# KiCad board aquarius-plus.kicad_pcb (continued)
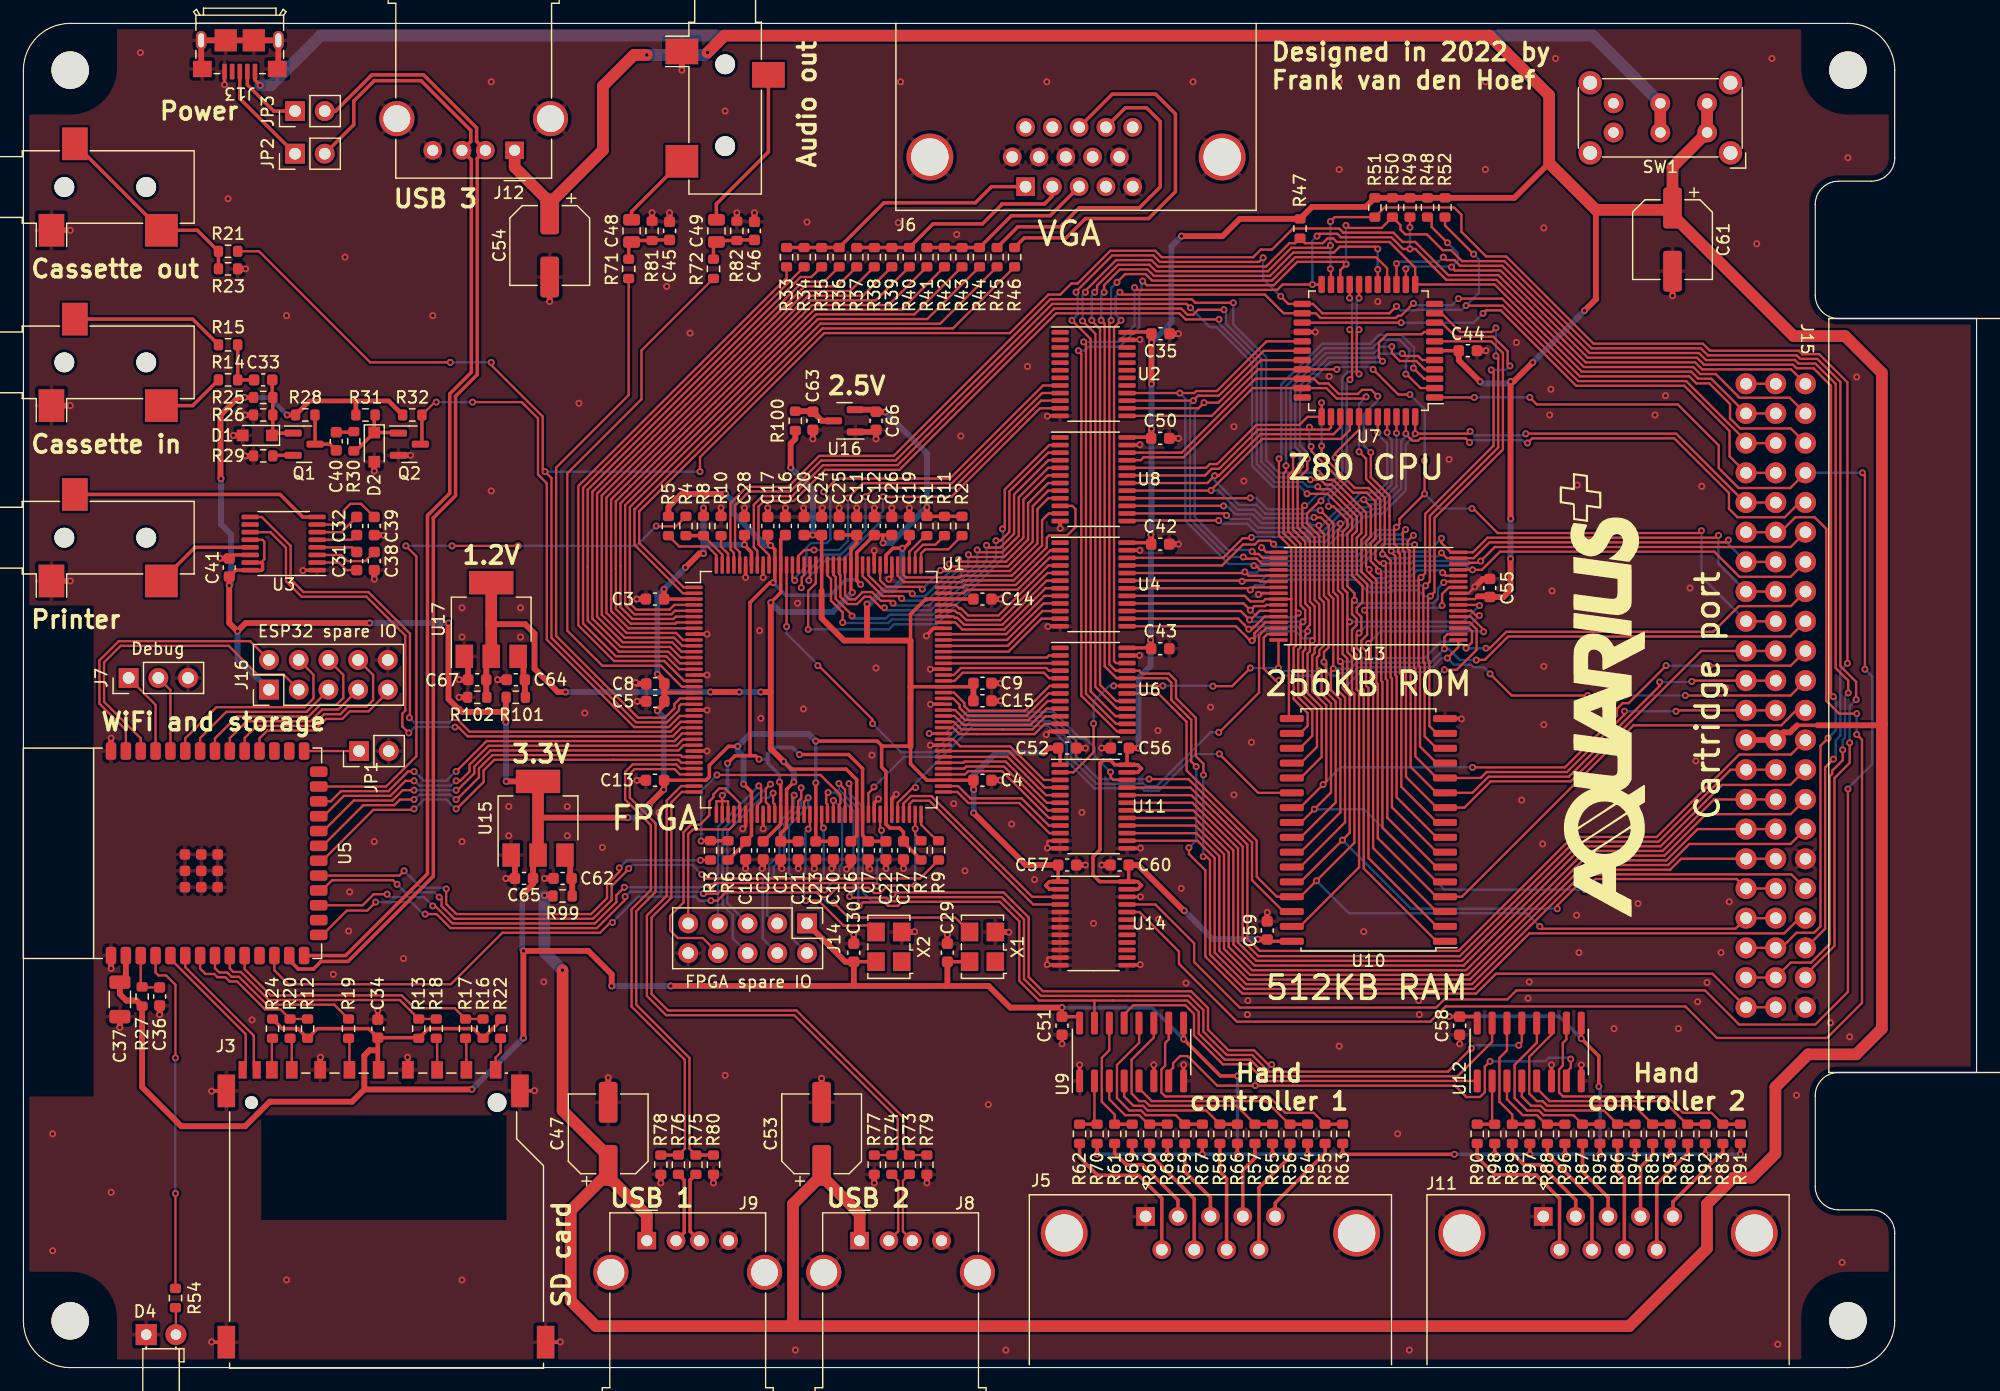
[diagram p0: board, top side]
## Footprints (pads in the part's own frame, mm; a bottom-side part is the same pattern mirrored in y, then rotated) (continued)
TSOP-I-32_14.4x8mm_P0.5mm
  rrect 1.575x0.3 smd: 1(-7.688,3.75) 2(-7.688,3.25) 3(-7.688,2.75) 4(-7.688,2.25) 5(-7.688,1.75) 6(-7.688,1.25) 7(-7.688,0.75) 8(-7.688,0.25) 9(-7.688,-0.25) 10(-7.688,-0.75) 11(-7.688,-1.25) 12(-7.688,-1.75) 13(-7.688,-2.25) 14(-7.688,-2.75) 15(-7.688,-3.25) 16(-7.688,-3.75) 17(7.688,-3.75) 18(7.688,-3.25) 19(7.688,-2.75) 20(7.688,-2.25) 21(7.688,-1.75) 22(7.688,-1.25) 23(7.688,-0.75) 24(7.688,-0.25) 25(7.688,0.25) 26(7.688,0.75) 27(7.688,1.25) 28(7.688,1.75) 29(7.688,2.25) 30(7.688,2.75) 31(7.688,3.25) 32(7.688,3.75)
TSSOP-16_4.4x5mm_P0.65mm
  rrect 1.475x0.4 smd: 1(-2.862,2.275) 2(-2.862,1.625) 3(-2.862,0.975) 4(-2.862,0.325) 5(-2.862,-0.325) 6(-2.862,-0.975) 7(-2.862,-1.625) 8(-2.862,-2.275) 9(2.862,-2.275) 10(2.862,-1.625) 11(2.862,-0.975) 12(2.862,-0.325) 13(2.862,0.325) 14(2.862,0.975) 15(2.862,1.625) 16(2.862,2.275)
TSSOP-24_4.4x7.8mm_P0.65mm
  rrect 1.475x0.4 smd: 1(-2.862,3.575) 2(-2.862,2.925) 3(-2.862,2.275) 4(-2.862,1.625) 5(-2.862,0.975) 6(-2.862,0.325) 7(-2.862,-0.325) 8(-2.862,-0.975) 9(-2.862,-1.625) 10(-2.862,-2.275) 11(-2.862,-2.925) 12(-2.862,-3.575) 13(2.862,-3.575) 14(2.862,-2.925) 15(2.862,-2.275) 16(2.862,-1.625) 17(2.862,-0.975) 18(2.862,-0.325) 19(2.862,0.325) 20(2.862,0.975) 21(2.862,1.625) 22(2.862,2.275) 23(2.862,2.925) 24(2.862,3.575)
USB_A_Molex_67643_Horizontal
  rect 1.6x1.5 hole 0.95: 1(0,0)
  round 1.6 hole 0.95: 2(2.5,0) 3(4.5,0) 4(7,0)
  round 3 hole 2.3: 5(-3.07,-2.71) 5(10.07,-2.71)

## Nets
+1V2: C1.1 C6.1 C11.1 C16.1 C21.1 C25.1 C67.1 R102.2 U1.49 U1.61 U1.121 U1.133 U17.2
+2V5: C2.1 C7.1 C12.1 C17.1 C22.1 C26.1 C66.1 R1.2 R2.2 R5.2 R11.2 U1.37 U1.38 U1.39 U1.48 U1.62 U1.120 U1.134 U16.2
+3V3: C3.1 C4.1 C5.1 C8.1 C9.1 C10.1 C13.1 C14.1 C15.1 C18.1 C19.1 C20.1 C23.1 C24.1 C27.1 C28.1 C29.1 C30.1 C34.1 C37.1 C41.1 C51.1 C52.1 C57.1 C58.1 C65.1 J3.4 J14.1 J16.1 R6.2 R7.2 R8.2 R12.2 R13.2 R16.2 R22.2 R24.2 R25.2 R27.1 R28.2 R31.2 R32.2 R63.2 R64.2 R65.2 R66.2 R67.2 R68.2 R69.2 R70.2 R91.2 R92.2 R93.2 R94.2 R95.2 R96.2 R97.2 R98.2 R100.1 R101.1 U1.3 U1.19 U1.34 U1.43 U1.54 U1.66 U1.75 U1.91 U1.106 U1.115 U1.126 U1.138 U3.12 U3.15 U3.16 U5.2 U9.9 U9.16 U11.1 U12.9 U12.16 U14.1 U14.2 U15.2 X1.4 X2.4
+5V: C35.1 C42.1 C43.1 C44.1 C47.1 C50.1 C53.1 C54.1 C55.1 C56.1 C59.1 C60.1 C61.1 J8.1 J9.1 J12.1 J15.25 R47.1 R48.1 R49.1 R50.1 R51.1 R52.1 R99.1 SW1.1 SW1.4 U2.24 U4.24 U6.24 U7.6 U8.24 U10.32 U11.23 U11.24 U13.8 U14.23 U14.24
GND: C1.2 C2.2 C3.2 C4.2 C5.2 C6.2 C7.2 C8.2 C9.2 C10.2 C11.2 C12.2 C13.2 C14.2 C15.2 C16.2 C17.2 C18.2 C19.2 C20.2 C21.2 C22.2 C23.2 C24.2 C25.2 C26.2 C27.2 C28.2 C29.2 C30.2 C34.2 C35.2 C36.2 C37.2 C38.2 C39.2 C41.2 C42.2 C43.2 C44.2 C45.2 C46.2 C47.2 C50.2 C51.2 C52.2 C53.2 C54.2 C55.2 C56.2 C57.2 C58.2 C59.2 C60.2 C61.2 C62.2 C63.2 C64.2 C65.2 C66.2 C67.2 D1.2 D2.2 D4.1 J1.S J2.S J3.3 J3.6 J3.12 J4.S J5.0 J5.1 J6.0 J6.5 J6.6 J6.7 J6.8 J6.10 J7.3 J8.4 J8.5 J9.4 J9.5 J10.S J11.0 J11.1 J12.4 J12.5 J13.5 J13.6 J14.10 J15.34 J15.44 J16.10 JP1.2 Q2.2 R10.2 R23.1 R26.1 R29.1 R77.2 R78.2 R79.2 R80.2 R81.1 R82.1 R102.1 U1.9 U1.16 U1.22 U1.29 U1.42 U1.45 U1.64 U1.67 U1.81 U1.88 U1.94 U1.101 U1.114 U1.117 U1.136 U1.139 U2.12 U2.23 U3.1 U3.14 U4.12 U4.23 U5.1 U5.40 U5.41 U6.12 U6.23 U7.26 U8.12 U8.23 U9.1 U9.6 U9.8 U10.16 U11.11 U11.12 U11.13 U12.6 U12.8 U13.9 U13.24 U14.5 U14.6 U14.7 U14.8 U14.9 U14.10 U14.11 U14.12 U14.13 U14.22 U15.1 U16.1 U17.1 X1.2 X2.2
VBUS: J13.1 SW1.2 SW1.5
A0: J15.23 U2.16 U7.27 U10.12 U13.20
A1: J15.21 U2.15 U7.28 U10.11 U13.19
A2: J15.19 U2.14 U7.29 U10.10 U13.18
A3: J15.17 U2.13 U7.30 U10.9 U13.17
A4: J15.15 U7.31 U8.22 U10.8 U13.16
A5: J15.13 U7.32 U8.21 U10.7 U13.15
A6: J15.12 U7.34 U8.20 U10.6 U13.14
A7: J15.14 U7.35 U8.19 U10.5 U13.13
A8: J15.16 U7.36 U8.18 U10.27 U13.3
A9: J15.18 U7.37 U8.17 U10.26 U13.2
A10: J15.20 U7.38 U8.16 U10.23 U13.31
A11: J15.22 U7.40 U8.15 U10.25 U13.1
A12: J15.24 U7.41 U8.14 U10.4 U13.12
A13: J15.36 U7.42 U8.13 U10.28 U13.4
A14: J15.10 U4.22 U7.43
A15: J15.9 U4.21 U7.44
AUDIO_L: R71.1 U1.20
AUDIO_R: R72.1 U1.18
BA14: U1.141 U10.3 U13.5
BA15: U1.140 U10.31 U13.11
BA16: U1.137 U10.2 U13.10
BA17: U1.135 U10.1 U13.6
BA18: U1.132 U10.30
BUSACK#: J15.42 R50.2 U6.13 U7.20
BUSREQ#: J15.4 R49.2 U6.14 U7.22
CART_CE#: J15.11 U14.20
CASSETTE_IN: Q2.3 R32.1 U1.23
CASSETTE_OUT: J15.2 R21.1 U1.21
D0: U4.20 U7.9 U10.13 U13.21
D1: U4.19 U7.10 U10.14 U13.22
D2: U4.18 U7.7 U10.15 U13.23
D3: U4.17 U7.3 U10.17 U13.25
D4: U4.16 U7.2 U10.18 U13.26
D5: U4.15 U7.4 U10.19 U13.27
D6: U4.14 U7.5 U10.20 U13.28
D7: U4.13 U7.8 U10.21 U13.29
DE0: J15.26 U11.21
DE1: J15.27 U11.20
DE2: J15.28 U11.19
DE3: J15.29 U11.18
DE4: J15.30 U11.17
DE5: J15.31 U11.16
DE6: J15.32 U11.15
DE7: J15.33 U11.14
DE_OE#: U1.83 U11.22
ESP_CTS: U1.26 U5.24
ESP_EXP0: J16.2 U5.39
ESP_EXP1: J16.3 U5.38
ESP_EXP2: J16.4 U5.35
ESP_EXP3: J16.5 U5.34
ESP_EXP4: J16.6 U5.33
ESP_EXP5: J16.7 U5.32
ESP_EXP6: J16.8 U5.31
ESP_EXP7: J16.9 U5.30
ESP_NOTIFY: U1.31 U5.20
ESP_RTS: U1.28 U5.22
ESP_RX: U1.27 U5.23
ESP_TX: U1.30 U5.21
ESP_USB_DM: J12.2 JP3.2 U5.13
ESP_USB_DP: J12.3 JP2.2 U5.14
FPGA_A0: U1.131 U2.8
FPGA_A1: U1.130 U2.9
FPGA_A2: U1.129 U2.10
FPGA_A3: U1.128 U2.11
FPGA_A4: U1.127 U8.2
FPGA_A5: U1.125 U8.3
FPGA_A6: U1.124 U8.4
FPGA_A7: U1.123 U8.5
FPGA_A8: U1.122 U8.6
FPGA_A9: U1.119 U8.7
FPGA_A10: U1.118 U8.8
FPGA_A11: U1.116 U8.9
FPGA_A12: U1.113 U8.10
FPGA_A13: U1.112 U8.11
FPGA_A14: U1.108 U4.2
FPGA_A15: U1.107 U4.3
FPGA_BUSACK#: U1.84 U6.11
FPGA_BUSREQ#: U1.85 U6.10
FPGA_CART_CE#: U1.70 U14.4
FPGA_D0: U1.105 U4.4
FPGA_D1: U1.104 U4.5
FPGA_D2: U1.103 U4.6
FPGA_D3: U1.102 U4.7
FPGA_D4: U1.100 U4.8
FPGA_D5: U1.99 U4.9
FPGA_D6: U1.98 U4.10
FPGA_D7: U1.97 U4.11
FPGA_DE0: U1.82 U11.3
FPGA_DE1: U1.80 U11.4
FPGA_DE2: U1.79 U11.5
FPGA_DE3: U1.78 U11.6
FPGA_DE4: U1.77 U11.7
FPGA_DE5: U1.76 U11.8
FPGA_DE6: U1.74 U11.9
FPGA_DE7: U1.73 U11.10
FPGA_DONE: R7.1 U1.71 U5.12
FPGA_EXP0: J14.2 U1.52
FPGA_EXP1: J14.3 U1.51
FPGA_EXP2: J14.4 U1.50
FPGA_EXP3: J14.5 U1.47
FPGA_EXP4: J14.6 U1.46
FPGA_EXP5: J14.7 U1.44
FPGA_EXP6: J14.8 U1.41
FPGA_EXP7: J14.9 U1.40
FPGA_INT#: U1.87 U6.8
FPGA_IORQ#: U1.93 U6.4
FPGA_M1#: U1.96 U6.2
FPGA_MREQ#: U1.95 U6.3
FPGA_PHI: U1.69 U14.3
FPGA_PROG#: R4.1 U5.25
FPGA_RD#: U1.92 U6.5
FPGA_RESET#: U1.86 U6.9
FPGA_WAIT#: U1.89 U6.7
FPGA_WR#: U1.90 U6.6
HALT#: J15.41 U7.14
HCTRL_CLK: U1.60 U9.7 U12.7
HCTRL_DATA: U1.56 U12.13
HCTRL_LOAD#: U1.59 U9.15 U12.15
INT#: J15.3 R47.2 U6.16 U7.12
IORQ#: J15.43 U6.20 U7.16
M1#: J15.6 U6.22 U7.24
MREQ#: J15.38 U6.21 U7.15
NMI#: J15.39 R48.2 U7.13
PHI: J15.8 U7.1 U14.21
PRINTER_IN: U1.24 U3.9
PRINTER_OUT: U1.25 U3.11
RAM_CE#: U1.68 U10.22
RD#: J15.35 U6.19 U7.18 U10.24 U11.2 U13.32
RESET#: J15.5 R52.2 U6.15 U7.23
RFSH#: J15.7 U7.25
ROM_CE#: U1.63 U13.30
SD_ACTIVITY: R54.1 U5.4
SD_CD#: J3.10 U5.6
SD_MISO: R12.1 R20.1 U5.7
SD_MOSI: R13.1 R18.1 U5.9
SD_SCK: R19.1 U5.8
SD_SSEL#: R16.1 R17.1 U5.10
SD_WP#: J3.11 U5.5
SPI_CS#: R3.1 U5.19
SPI_MISO: U1.57 U5.15
SPI_MOSI: U1.65 U5.17
SPI_SCLK: R9.1 U5.18
SYSCLK: U1.55 X1.3
USB_DM1: R74.2 R77.1 U1.35
USB_DM2: R76.2 R78.1 U1.32
USB_DP1: R73.2 R79.1 U1.36
USB_DP2: R75.2 R80.1 U1.33
USBCLK: U1.53 X2.3
VGA_B0: R44.1 U1.4
VGA_B1: R43.1 U1.5
VGA_B2: R42.1 U1.6
VGA_B3: R41.1 U1.7
VGA_G0: R40.1 U1.8
VGA_G1: R39.1 U1.10
VGA_G2: R38.1 U1.11
VGA_G3: R37.1 U1.12
VGA_HSYNC: R46.1 U1.1
VGA_R0: R36.1 U1.13
VGA_R1: R35.1 U1.14
VGA_R2: R34.1 U1.15
VGA_R3: R33.1 U1.17
VGA_VSYNC: R45.1 U1.2
WAIT#: J15.40 R51.2 U6.17 U7.21
WR#: J15.37 U6.18 U7.19 U10.29 U13.7
Net-(C31-Pad1): C31.1 U3.2
Net-(C31-Pad2): C31.2 U3.4
Net-(C32-Pad1): C32.1 U3.5
Net-(C32-Pad2): C32.2 U3.6
Net-(C33-Pad1): C33.1 R14.2 R15.2
Net-(C33-Pad2): C33.2 D1.1 Q1.1 R25.1 R26.2
Net-(C36-Pad1): C36.1 R27.2 U5.3
Net-(C38-Pad1): C38.1 U3.3
Net-(C39-Pad1): C39.1 U3.7
Net-(C40-Pad1): C40.1 Q1.3 R28.1
Net-(C40-Pad2): C40.2 R30.1
Net-(C45-Pad1): C45.1 C48.1 R71.2 R81.2
Net-(C46-Pad1): C46.1 C49.1 R72.2 R82.2
Net-(C48-Pad2): C48.2 J10.T
Net-(C49-Pad2): C49.2 J10.R
Net-(C62-Pad1): C62.1 R99.2 U15.3
Net-(C63-Pad1): C63.1 R100.2 U16.3
Net-(C64-Pad1): C64.1 R101.2 U17.3
Net-(D2-Pad1): D2.1 Q2.1 R30.2 R31.1
Net-(D4-Pad2): D4.2 R54.2
Net-(J1-PadR): J1.R R15.1
Net-(J1-PadT): J1.T R14.1
Net-(J2-PadR): J2.R J2.T R21.2 R23.2
Net-(J3-Pad1): J3.1 R17.2
Net-(J3-Pad2): J3.2 R18.2
Net-(J3-Pad5): J3.5 R19.2
Net-(J3-Pad7): J3.7 R20.2
Net-(J3-Pad8): J3.8 R24.1
Net-(J3-Pad9): J3.9 R22.1
Net-(J4-PadR): J4.R U3.8
Net-(J4-PadT): J4.T U3.13
Net-(J5-Pad2): J5.2 R61.1
Net-(J5-Pad3): J5.3 R59.1
Net-(J5-Pad4): J5.4 R57.1
Net-(J5-Pad5): J5.5 R55.1
Net-(J5-Pad6): J5.6 R62.1
Net-(J5-Pad7): J5.7 R60.1
Net-(J5-Pad8): J5.8 R58.1
Net-(J5-Pad9): J5.9 R56.1
Net-(J6-Pad1): J6.1 R33.2 R34.2 R35.2 R36.2
Net-(J6-Pad2): J6.2 R37.2 R38.2 R39.2 R40.2
Net-(J6-Pad3): J6.3 R41.2 R42.2 R43.2 R44.2
Net-(J6-Pad13): J6.13 R46.2
Net-(J6-Pad14): J6.14 R45.2
Net-(J7-Pad1): J7.1 U5.37
Net-(J7-Pad2): J7.2 U5.36
Net-(J8-Pad2): J8.2 R74.1
Net-(J8-Pad3): J8.3 R73.1
Net-(J9-Pad2): J9.2 R76.1
Net-(J9-Pad3): J9.3 R75.1
Net-(J11-Pad2): J11.2 R89.1
Net-(J11-Pad3): J11.3 R87.1
Net-(J11-Pad4): J11.4 R85.1
Net-(J11-Pad5): J11.5 R83.1
Net-(J11-Pad6): J11.6 R90.1
Net-(J11-Pad7): J11.7 R88.1
Net-(J11-Pad8): J11.8 R86.1
Net-(J11-Pad9): J11.9 R84.1
Net-(J13-Pad2): J13.2 JP3.1
Net-(J13-Pad3): J13.3 JP2.1
Net-(JP1-Pad1): JP1.1 U5.27
Net-(Q1-Pad2): Q1.2 R29.2
Net-(R1-Pad1): R1.1 U1.111
Net-(R2-Pad1): R2.1 U1.109
Net-(R3-Pad2): R3.2 R6.1 U1.58
Net-(R4-Pad2): R4.2 R8.1 U1.143
Net-(R5-Pad1): R5.1 U1.144
Net-(R9-Pad2): R9.2 U1.72
Net-(R10-Pad1): R10.1 U1.142
Net-(R11-Pad1): R11.1 U1.110
Net-(R55-Pad2): R55.2 R63.1 U9.10
Net-(R56-Pad2): R56.2 R64.1 U9.5
Net-(R57-Pad2): R57.2 R65.1 U9.11
Net-(R58-Pad2): R58.2 R66.1 U9.4
Net-(R59-Pad2): R59.2 R67.1 U9.12
Net-(R60-Pad2): R60.2 R68.1 U9.3
Net-(R61-Pad2): R61.2 R69.1 U9.14
Net-(R62-Pad2): R62.2 R70.1 U9.2
Net-(R83-Pad2): R83.2 R91.1 U12.10
Net-(R84-Pad2): R84.2 R92.1 U12.5
Net-(R85-Pad2): R85.2 R93.1 U12.11
Net-(R86-Pad2): R86.2 R94.1 U12.4
Net-(R87-Pad2): R87.2 R95.1 U12.12
Net-(R88-Pad2): R88.2 R96.1 U12.3
Net-(R89-Pad2): R89.2 R97.1 U12.14
Net-(R90-Pad2): R90.2 R98.1 U12.2
Net-(U12-Pad1): U9.13 U12.1

Pads without a net: J6 4 9 11 12 15; J13 4; J15 1; SW1 3 6; U2 1 2 3 4 5 6 7 17 18 19 20 21 22; U3 10; U4 1; U5 11 16 26 28 29; U6 1; U7 11 17 33 39; U8 1; U14 14 15 16 17 18 19; X1 1; X2 1

## Via types
v1: diameter 0.6, hole 0.3, Top to Bottom, 666 vias

## Routing (per net, layer and track width the routed paths; a pad name or vN(x,y) marks a point on that pad's centre or on a via; arc(x,y) is an arc through that point)
+1V2: length 93.9
  Top w0.3: v1(65.88,50.1) 65.25,49.47 U1.49 65.25,46.2 64.75,45.7 C1.1 C21.1 ; C6.1 71.25,45.53 U1.61 71.25,50.3 70.35,51.2 65.65,51.2 v1(65,51.85) ; v1(63.9,65.45) 64.75,66.3 U1.133 64.75,70.83 C16.1 ; v1(70.88,66.33) 70.75,66.45 U1.121 70.75,70.03 71.25,70.53 C11.1 C25.1
  Top w0.5: 39.58,57.4 C67.1 39.58,60.42 ; v1(46.35,57.8) 45.7,57.8 43.7,59.8 43.7,62.8 42.9,63.6 40,63.6 ; v1(65,51.85) 63.9,52.95 63.9,57.8 ; v1(61.2,57.8) v1(58.75,57.8) ; 63.9,57.8 v1(63.05,57.8) ; 63.9,57.8 v1(63.9,65.45)
  Top w1: U17.2 U17.2
  Bottom w0.5: v1(65,51.85) 65.88,50.97 v1(65.88,50.1) ; v1(70.88,66.33) 69.2,64.65 64.7,64.65 v1(63.9,65.45) ; v1(63.05,57.8) v1(61.2,57.8) ; v1(46.35,57.8) v1(58.75,57.8)
+2V5: length 106.4
  Top w0.2: 59.75,48.45 60.25,48.45 U1.39 ; 59.75,48.45 v1(59.75,48.95) ; 59.75,48.45 U1.38 ; 59.75,48.45 59.25,48.45 U1.37
  Top w0.3: v1(64.65,50.1) 64.75,50 U1.48 64.75,46.5 63.28,45.03 ; 73.47,71.22 C12.1 71.25,69.73 U1.120 71.25,67.33 v1(71.57,67) ; 73.47,71.22 C26.1 ; 73.47,71.22 73.47,70.58 v1(73.5,70.55) ; R1.2 R11.2 R2.2 ; 62.12,52.35 62.6,52.35 v1(62.9,52.05) ; 62.12,52.35 62.12,65.45 63.82,67.15 v1(64.1,67.15) 64.25,67.3 U1.134 64.25,69.97 v1(63.89,70.34) 63.65,70.58 C17.1 ; 62.12,52.35 60.85,52.35 v1(60.2,51.7) ; v1(66.35,52.45) 70.55,52.45 71.75,51.25 U1.62 71.75,45.53 C7.1 C22.1
  Top w0.5: v1(73.7,81.75) 73.68,81.78 C66.1 ; v1(60.03,74.75) 56.28,74.75 55.15,73.62 R5.2 ; U16.2 72.72,81.95 ; v1(77.25,73.6) R1.2
  Bottom w0.3: v1(60.2,51.7) 60.2,49.4 v1(59.75,48.95) ; 63.65,52 63.65,51.7 64.65,50.7 v1(64.65,50.1) ; 63.65,52 63.65,52.5 64.2,53.05 65.75,53.05 v1(66.35,52.45) ; 63.65,52 63.6,52.05 v1(62.9,52.05) ; v1(64.1,67.15) 65.18,66.07 68.97,66.07 70.3,67.4 71.18,67.4 v1(71.57,67)
  Bottom w0.5: v1(60.03,74.75) 60.7,74.08 60.7,73.1 63.46,70.34 v1(63.89,70.34) ; v1(73.7,81.75) 77.25,78.2 v1(77.25,73.6) 74.2,70.55 v1(73.5,70.55)
+3V3: length 587.9
  Top w0.2: U3.12 20.42,70.83 20.6,70.65 20.6,69.15 20.33,68.88
  Top w0.3: C57.1 88.47,41.74 U14.1 87.72,41.58 87.4,41.25 87.72,40.92 U14.2 ; C41.1 18.15,68.22 U3.16 ; 99.2,29.47 v1(99.2,28.1) 102.35,24.95 v1(103.8,24.95) ; 73.43,53.17 73.38,53.12 73.38,51.38 73.75,51 U1.66 73.75,46.5 74.09,46.16 74.91,46.16 75.25,45.83 C27.1 ; 73.43,53.17 75.8,53.17 75.85,53.12 75.85,51.65 77.25,50.25 U1.75 C4.1 ; 73.43,53.17 73,53.6 v1(67.75,53.6) ; 124.28,30.03 C58.1 121.93,30.03 v1(121.9,30.05) ; 54.78,57.75 U1.19 ; R70.2 v1(91.8,18.25) ; 33.75,28.22 C34.1 29.53,29 25.12,29 R12.2 23.47,29 22.12,29 R24.2 ; 81.22,58.25 U1.91 75.88,58.25 ; R67.2 v1(100.8,18.25) ; v1(61.58,49.92) 62.25,49.25 U1.43 62.25,45.53 C18.1 ; v1(61.08,53.15) 60.28,53.15 58.65,51.53 58.65,50.53 58.38,50.25 U1.34 C13.1 ; 133.2,29.47 v1(133.2,28.15) 134.7,26.65 v1(134.7,24.05) ; 90.28,30.03 C51.1 v1(88.8,30.8) ; 125.81,19.18 v1(125.81,18.26) ; v1(122.35,18.25) v1(112.8,18.25) R63.2 ; U1.138 62.25,69.75 61.65,70.35 v1(61.65,70.4) C28.1 ; 134.81,19.18 v1(134.81,18.26) ; R13.2 34.62,29 38.47,29 R16.2 40.8,29.67 ; C14.1 U1.106 77.15,65.75 75.85,64.45 75.85,62.2 ; v1(94.8,18.25) R69.2 ; U3.15 20.33,68.88 20.45,68.75 20.45,68.3 20.35,68.2 19.41,68.2 ; 131.81,19.18 v1(131.81,18.26) ; 146.81,19.18 v1(146.81,18.26) ; 140.81,19.18 v1(140.81,18.26) ; R68.2 v1(97.8,18.25) ; C29.1 80.9,34.72 ; 143.81,19.18 v1(143.81,18.26) ; R66.2 v1(103.8,18.25) ; 68.25,66.45 U1.126 C24.1 ; U11.1 88.64,52.84 ; C19.1 75.75,70.55 75.3,70.1 v1(75.15,70.1) 74.35,70.1 73.75,69.5 U1.115 ; 137.81,19.18 v1(137.81,18.26) ; 60.26,43.42 61.75,44.91 ; C10.1 C23.1 U1.54 v1(67.75,50.03) ; R64.2 v1(109.8,18.25) ; R65.2 v1(106.8,18.25) ; 76.75,43.45 75.25,44.95 ; v1(128.81,18.26) 128.81,19.18 ; C3.1 U1.3 ; C30.1 72.9,34.72
  Top w0.4: 28.3,82.7 24.47,82.7 23.28,81.5 v1(22.55,81.5) ; 28.3,82.7 28.42,82.58 R31.2 ; 28.3,82.7 31.22,82.7 R32.2 ; 30.3,27.25 30.2,27.15 ; 30.3,27.25 C34.1 ; 30.3,27.25 30.3,25.55 ; v1(18.9,83) R25.2
  Top w0.5: 75.85,58.22 75.85,62.2 72.2,62.2 ; 75.85,58.22 75.88,58.25 ; 75.85,58.22 75.85,53.12 ; 78.9,32.65 79,32.75 C29.1 ; 78.9,32.65 71,32.65 ; 78.9,32.65 82.53,32.65 84.38,30.8 v1(88.8,30.8) ; J14.1 70.28,34.72 C30.1 71,32.65 ; 41.25,56.15 41.2,56.1 37.51,56.1 37.26,56.35 37.19,56.35 36.35,57.19 v1(36.35,63.7) ; 41.25,56.15 v1(41.25,55.22) ; 41.25,56.15 41.25,57.33 ; 29.15,23.8 29.15,26.7 29.6,27.15 30.2,27.15 ; 29.15,23.8 v1(38.35,23.8) ; 29.15,23.8 28.1,22.75 21.06,22.75 18.96,20.65 13.5,20.65 10.15,24 R27.1 9.67,31.4 8.8,31.4 8.25,31.95 C37.1 8.76,33.48 U5.2 ; 54.8,58.72 v1(54.2,59.33) ; C13.1 54.78,49.47 v1(54.75,49.45) 53.5,48.2 v1(53.5,48.08) ; C4.1 81.22,49.47 v1(81.25,49.45) ; 72.2,62.2 70.17,62.2 68.25,64.12 68.25,66.45 ; 72.2,62.2 72.13,62.27 v1(72.13,65.32) ; C52.1 87.6,53 v1(87.2,52.6) ; v1(29.6,63.7) 19,63.7 v1(18.3,63) 17.6,63.7 v1(17.6,66.9) C41.1 ; v1(56.6,68.45) 57.8,69.65 v1(58.15,69.65) ; 44,47.05 v1(51.67,47.05) ; 71,32.65 v1(55.35,32.65) ; C5.1 C8.1 ; 43.58,43.42 C65.1 43.58,41.38 v1(42.65,40.45) ; v1(42.75,28.2) v1(42.75,35.65) 48.3,35.65 50.3,33.65 v1(50.3,32.65) ; C20.1 v1(67.5,71.22) C24.1 ; U15.2 v1(41.28,50.15) ; v1(54.2,56.2) 54.8,56.8 ; v1(18.9,83) 18.35,83 16.85,81.5 16.85,76.1 v1(16.9,76.05) ; C9.1 C15.1 ; v1(65.6,77) 65.6,79.05 66,79.45 R100.1 ; v1(81.25,47.45) 85.7,43 C57.1 ; R8.2 v1(58.15,73.55) ; v1(54.78,66.6) C3.1
  Top w1: U15.2 U15.2
  Bottom w0.3: v1(91.8,18.25) v1(94.8,18.25) v1(97.8,18.25) v1(100.8,18.25) v1(103.8,18.25) ; v1(121.9,30.05) 131.3,30.05 v1(133.2,28.15) ; v1(67.75,50.03) v1(67.75,53.6) ; v1(146.81,18.26) v1(125.81,18.26) 125.8,18.25 v1(122.35,18.25) ; v1(134.81,18.26) 134.81,23.94 v1(134.7,24.05) ; v1(112.8,18.25) v1(109.8,18.25) v1(106.8,18.25) v1(103.8,18.25) ; v1(103.8,18.25) v1(103.8,24.95) ; v1(88.8,30.8) 96.5,30.8 v1(99.2,28.1)
  Bottom w0.4: v1(18.9,83) 21.05,83 v1(22.55,81.5)
  Bottom w0.5: v1(58.15,73.55) 58.15,70.25 ; 58.15,70.25 v1(58.15,69.65) ; 58.15,70.25 58.3,70.4 v1(61.65,70.4) ; v1(17.6,66.9) 17.75,67.05 17.75,71.3 16.9,72.15 v1(16.9,76.05) ; v1(42.75,35.65) 42.65,35.75 v1(42.65,40.45) ; v1(38.35,23.8) v1(42.75,28.2) ; v1(54.2,59.33) 54.2,66.03 v1(54.78,66.6) 56.6,68.42 v1(56.6,68.45) ; v1(36.35,63.7) v1(29.6,63.7) ; v1(75.15,70.1) 75.15,67.35 74.3,66.5 73.5,66.5 72.32,65.32 v1(72.13,65.32) ; v1(41.25,55.22) 41.28,55.2 v1(41.28,50.15) ; v1(81.25,47.45) v1(81.25,49.45) 81.25,50.7 83.15,52.6 v1(87.2,52.6) ; v1(61.58,49.92) 61.58,52.28 61.08,52.78 v1(61.08,53.15) 62.12,54.2 67.15,54.2 v1(67.75,53.6) ; v1(54.75,49.45) 54.75,55.65 v1(54.2,56.2) ; v1(51.67,47.05) 52.47,47.05 v1(53.5,48.08) ; v1(18.3,63) 18.3,60.7 J16.1 ; v1(65.6,77) 67.5,75.1 v1(67.5,71.22) ; v1(55.35,32.65) v1(50.3,32.65)
+5V: length 596.4
  Top w0.2: 124.35,65.99 124.35,65.99 124.12,65.75 U13.8
  Top w0.3: U10.32 106.5,36.47 ; U11.23 95.28,50.92 95.6,51.25 95.28,51.58 U11.24 ; U11.24 93.32,51.58 92.95,51.95 92.3,51.95 92.05,51.7 92.05,44.3 91.45,43.7 91.45,42.15 92.03,41.58 U14.24 ; U11.24 94.36,52.84 ; 94.34,61.58 96.28,61.58 ; U14.24 95.28,41.58 95.6,41.25 95.28,40.92 U14.23 ; U14.24 94.5,41.71 C60.1 ; 151.65,54.95 153.4,54.95 ; U7.6 C44.1 ; 94.39,88.6 96.3,88.6 ; U4.24 96.3,70.58 ; 94.39,79.6 96.33,79.6
  Top w0.5: v1(96.38,62.25) 96.4,62.22 96.4,61.45 ; C55.1 126.55,65.92 127.15,66.53 v1(127.15,69.2) ; 130.45,103.05 127.47,100.08 R52.1 R48.1 R49.1 R51.1 114.78,99.3 110.18,99.3 R47.1 104,98.28 102.53,96.8 v1(99.03,96.8) ; C59.1 105.57,36.62 v1(105.55,36.65) ; v1(124.55,84.35) 122.72,86.17 C44.1 ; C50.1 96.43,80.28 v1(96.45,80.3) ; v1(96.4,71.25) 96.43,71.22 C42.1 ; v1(99.25,39.1) 99.2,39.1 95.3,43 C60.1 ; v1(127.18,72.62) 127.15,72.62 v1(127.15,84.35) 127.4,84.35 v1(129.05,86) ; 125.31,65.99 124.35,65.99 ; 153.4,54.95 158.85,54.95 158.9,55 ; J15.25 149.82,53.69 150.49,54.35 151.05,54.35 151.65,54.95 ; 45.28,40.4 v1(44.55,40.4) ; v1(133.47,90.42) 134.45,91.4 134.45,99.05 ; C35.1 v1(96.45,87.7) v1(96.45,84.15) ; C56.1 v1(95.35,53)
  Top w1: 65.8,3.55 137.3,3.55 143.95,10.2 143.95,14 146.2,16.25 147.75,16.25 149.8,18.3 149.8,24 152.6,26.8 156.7,26.8 158.9,29 158.9,85.1 155.75,88.25 151.35,88.25 140.55,99.05 134.45,99.05 130.45,103.05 130.45,108.85 125.35,113.95 59.95,113.95 v1(58.5,112.5) ; 65.8,3.55 65.8,14 68.25,16.45 ; 65.8,3.55 48.95,3.55 46.8,5.7 46.8,13.45 49.7,16.35 ; SW1.4 SW1.1 141,102.71 C61.1 ; J12.1 42,102.7 45,99.7 ; J9.1 53.3,13.05 50,16.35 ; J8.1 71.5,13.15 68.25,16.4 ; v1(46.1,34) 46.1,22 50,18.1 ; 45,99.6 49.55,104.15 49.55,109.65 52.2,112.3 v1(53.3,112.3)
  Bottom w0.5: v1(127.18,72.62) 127.15,72.6 v1(127.15,69.2) ; v1(105.55,36.65) 101.7,36.65 v1(99.25,39.1) ; v1(99.03,96.8) 98.15,95.92 98.15,89.4 v1(96.45,87.7) ; v1(96.45,84.15) v1(96.45,80.3) 96.45,71.3 v1(96.4,71.25) 96.4,62.28 v1(96.38,62.25) 96.38,60.03 95.35,59 v1(95.35,53) ; v1(127.15,84.35) 127,84.2 124.7,84.2 v1(124.55,84.35) ; v1(129.05,86) v1(133.47,90.42)
  Bottom w1: v1(46.1,34) 44.55,35.55 v1(44.55,40.4) ; v1(58.5,112.5) 58.3,112.3 v1(53.3,112.3)
GND: length 152.9
  Top w0.2: U14.22 v1(95.5,40.28) ; 88.62,35.1 87.61,35.1 87.54,35.03 v1(87.54,34.47) ; U11.11 87.62,45.08 87.55,45 v1(87.55,44.45) ; v1(124.1,66.8) 123.55,66.25 U13.9 ; v1(105.6,66.15) 105.7,66.25 U13.24
  Top w0.3: U11.13 95.47,44.42 v1(95.5,44.45) ; U1.16 v1(58.45,59.25) ; v1(74.62,49.05) 74.25,48.68 U1.67 ; v1(99.2,25.9) 99.19,25.89 U9.8 ; C51.2 v1(88.8,27.7) ; J3.12 45.88,2.18 v1(45.9,2.2) ; U1.94 v1(77.55,59.75) ; v1(73.1,48.65) 72.75,48.3 U1.64 ; U6.12 87.72,54.42 v1(87.45,54.15) ; U1.117 v1(72.75,69.9) ; v1(61.75,67.6) U1.139 ; v1(87.54,34.47) 87.56,34.45 88.62,34.45 ; v1(95.43,60.93) 94.34,60.93 ; U9.6 96.66,25.89 v1(96.65,25.9) ; v1(87.6,63.4) 87.62,63.42 U4.12 ; v1(77.2,62.6) 77.2,62.63 77.82,63.25 U1.101 ; J3.12 16.12,23.67 v1(16.1,23.65) ; U10.16 122.93,55.53 v1(122.95,55.5) ; U1.45 v1(63.25,46.1) ; v1(133.2,25.9) 133.19,25.89 U12.8 ; U1.136 v1(63.25,67.6) ; U12.6 130.66,25.89 v1(130.65,25.9) ; U1.42 61.75,46.35 v1(61.5,46.1) ; v1(95.45,69.93) 94.36,69.93 ; J3.12 16.12,2.18 v1(16.1,2.2) ; v1(87.55,44.45) 87.57,44.42 U11.12 ; v1(95.49,34.47) 95.46,34.45 94.35,34.45 ; v1(90.3,25.9) 90.31,25.89 U9.1 ; v1(88.65,71.8) 88.64,71.81 U8.12 ; v1(74,67.45) 74.25,67.7 U1.114 ; U1.9 v1(58.45,62.75) ; U1.81 v1(77.55,53.25) ; v1(43.7,23.7) 43.67,23.67 J3.12 ; U7.26 v1(110.45,88.6) ; U1.29 v1(58.45,52.75) ; U8.23 95.43,78.92 v1(95.45,78.95) ; v1(23.9,68.2) 23.92,68.22 U3.1 ; 17.6,69.22 17.9,69.53 U3.14 ; v1(95.45,87.95) 95.43,87.92 U2.23 ; U1.88 v1(77.55,56.75) ; U2.12 87.57,81.42 v1(87.55,81.4) ; U1.22 v1(58.45,56.25) ; C58.2 v1(122.8,27.7) ; J13.5 v1(17.2,109.75)
  Top w0.4: J3.3 32.88,26.53 v1(32.85,26.55) ; C34.2 v1(30.3,30.55)
  Top w0.5: C53.2 v1(68.25,24.75) ; C61.2 v1(141,91.7) ; J3.6 25.38,26.53 v1(25.4,26.55) ; v1(72.38,42.65) 72.25,42.78 C7.2 ; U5.1 7.49,34.16 v1(7.5,34.15) ; Q2.2 v1(33.1,78.05) ; C9.2 v1(83.55,58.55) ; v1(69.1,42.7) 69.25,42.85 C10.2 ; 21.8,111.2 J13.6 J13.6 15.2,111.2 ; C52.2 v1(90.8,53) ; D1.2 v1(17.95,79.75) ; C8.2 52.45,58.5 v1(52.35,58.6) ; C24.2 68.25,73.5 v1(68.3,73.55) ; X1.2 84.23,37.27 v1(84.25,37.25) ; C4.2 v1(83.55,50.25) ; J2.S v1(4,97.3) ; R77.2 v1(72.75,15.8) ; v1(16.8,69.25) 16.83,69.22 17.6,69.22 ; C64.2 v1(40.55,58.85) ; C36.2 v1(11.65,30.2) ; J4.S v1(4,67.3) ; C21.2 v1(66.25,42.7) ; C11.2 v1(71.25,73.55) ; v1(7.5,53.85) 7.49,53.84 U5.40 ; C44.2 v1(125.05,87) ; C37.2 v1(8.25,29.1) ; C27.2 v1(75.25,42.7) ; 42.03,43.53 C65.2 v1(41.25,41.85) ; C38.2 v1(30,67.45) ; v1(64.85,42.7) 64.75,42.8 C1.2 ; C12.2 v1(72.75,73.55) ; R79.2 v1(77.25,15.8) ; C56.2 v1(92.2,53) ; R102.1 v1(37.25,57.35) ; C66.2 v1(72.9,79.45) ; C63.2 v1(67.5,79.45) ; X2.2 76.17,37.27 v1(76.2,37.3) ; C25.2 v1(69.75,73.55) ; R82.1 v1(61,98.8) ; C2.2 63.25,42.8 v1(63.15,42.7) ; C59.2 v1(106.35,38.95) ; C20.2 66.75,73.5 v1(66.7,73.55) ; C39.2 30.78,71.22 v1(30.8,71.2) ; C42.2 v1(98.75,70.45) ; R78.2 v1(54.5,15.8) ; v1(37.25,58.85) C67.2 38.03,60.53 ; C45.2 v1(55.25,98.8) ; R26.1 v1(18.95,81.5) ; R81.1 v1(53.75,98.8) ; C46.2 v1(62.5,98.8) ; C22.2 v1(73.75,42.7) ; C29.2 v1(79,37.05) ; C50.2 v1(98.75,79.5) ; C55.2 124.78,67.47 v1(124.1,66.8) ; C62.2 v1(44.55,41.85) ; C15.2 v1(83.55,57.05) ; U16.1 72.72,80.05 ; J1.S v1(4,82.3) ; R80.2 v1(59,15.8) ; v1(65.15,73.55) C16.2 ; C19.2 v1(75.75,73.55) ; C35.2 v1(98.75,88.45) ; C13.2 v1(52.45,50.25) ; R23.1 v1(19,94) ; v1(61.65,73.55) C28.2 ; C6.2 70.75,43.02 v1(70.38,42.65) ; C5.2 v1(52.47,57) ; R10.2 v1(59.65,73.55) ; C26.2 v1(74.25,73.55) ; v1(63.65,73.55) C17.2 ; 67.62,43.47 v1(67.62,42.7) ; C57.2 v1(90.8,43) ; C18.2 v1(61.75,42.7) ; C60.2 v1(92.2,43) ; D2.2 v1(30,76.7) ; C47.2 v1(50,24.8) ; C14.2 v1(83.55,65.75) ; C3.2 v1(52.45,65.75) ; C30.2 v1(71,37.05) ; J10.S v1(56.3,111) ; C54.2 v1(45,91.2) ; R29.1 v1(18.95,78)
  vias: v1(2.5,20) v1(2.5,10) v1(7.5,15) v1(10,112.5) v1(17.5,100) v1(19.55,29.75) v1(22.5,90) v1(22.5,7.5) v1(26.5,33.65) v1(27.5,95) v1(27.8,37.35) v1(27.9,40.7) v1(30,45) v1(32.5,35) v1(35,90) v1(37.5,65) v1(37.5,62.5) v1(37.5,45) v1(37.5,7.5) v1(40,110) v1(40,75) v1(41.5,48) v1(41.5,45.5) v1(42.5,65) v1(42.5,62.5) v1(44.5,33) v1(46.5,48) v1(46.5,45.5) v1(47.5,82.5) v1(48,56) v1(49.5,44.5) v1(54.35,47.5) v1(55,92.5) v1(57,88.5) v1(60,107.5) v1(60,25) v1(62.95,63.05) v1(63.05,55.55) v1(66,1.5) v1(66.2,65.4) v1(66.7,56.35) v1(67,98) v1(72.55,52.4) v1(72.9,59.85) v1(74.8,97.95) v1(75,110) v1(79.55,48.25) v1(79.8,96.95) v1(80.15,79.7) v1(80.5,42.5) v1(82.5,22.5) v1(84,1.5) v1(84.5,46.5) v1(85.85,85.65) v1(86.45,41.75) v1(87.5,110) v1(90.5,47.5) v1(91.5,38) v1(97,54.5) v1(97.05,38.35) v1(99,41) v1(99.4,32.9) v1(100,110) v1(101.5,56.5) v1(103.5,80.5) v1(103.5,49) v1(104.35,75.85) v1(104.7,31.4) v1(104.65,30.2) v1(105,53.5) v1(111.65,84.8) v1(112.5,110) v1(112.5,102.5) v1(112.5,27.5) v1(114.6,37.3) v1(115.8,91.2) v1(117.5,20) v1(118.5,1.5) v1(119.3,31.4) v1(119.35,30.2) v1(121.9,77.7) v1(125,110) v1(125,102.5) v1(127.65,87.7) v1(128.1,48.55) v1(128.65,31.6) v1(128.75,33) v1(129.9,44.8) v1(130,97.5) v1(130,60) v1(130,55) v1(130.5,81.5) v1(130.6,83.7) v1(130.7,66.45) v1(131,112) v1(132.85,75.5) v1(132.8,38.7) v1(133,35.5) v1(136,29) v1(138.05,39.7) v1(139.5,81.5) v1(140.4,83.15) v1(141.5,29) v1(142.5,66.7) v1(143,51.9) v1(143.15,31.3) v1(143.5,75.4) v1(143.95,32.95) v1(145.15,35.5) v1(145.55,58.15) v1(145.85,39.85) v1(148.2,96.15) v1(149.5,112) v1(150,2) v1(151.6,23.3) v1(154.5,29.5) v1(155.5,9) v1(156,103.5) v1(156.15,28.3) v1(156.75,84.75)
VBUS: length 127.7
  Top w0.3: J13.1 19.8,110.15 v1(20.25,109.7)
  Top w1: SW1.5 SW1.2
  Bottom w1: SW1.5 134.18,113.95 25.4,113.95 21.15,109.7 v1(20.25,109.7)
A0: length 103.8
  Top w0.2: 120.85,50.44 119.01,52.29 119.01,59.79 118.9,59.9 118.9,70.35 v1(118.95,70.4) ; U10.12 124.59,50.44 125.1,50.95 131.97,50.95 136.89,55.87 v1(136.89,56.16) ; v1(105.21,68.61) 105.39,68.61 105.75,68.25 U13.20 ; U7.27 106.29,87.8 102.04,83.55 100.28,83.55 100.11,83.38 v1(98.88,83.38) U2.16 ; 149.82,56.23 141.38,56.23 v1(141.3,56.15)
  Bottom w0.2: v1(98.88,83.38) 99.35,82.9 99.35,72.45 103.05,68.75 105.06,68.75 v1(105.21,68.61) 105.21,68.6 114.35,68.6 116.22,70.47 118.88,70.47 v1(118.95,70.4) ; v1(141.3,56.15) 136.9,56.15 v1(136.89,56.16)
A1: length 107.4
  Top w0.2: v1(139.9,58.65) 139.9,58.32 132.14,50.55 125.27,50.55 123.89,49.17 U10.11 ; v1(142.65,58.7) 142.72,58.77 149.82,58.77 ; 120.82,49.17 118.61,51.39 118.61,59.62 118.5,59.73 118.5,69.93 118.35,70.07 118.35,70.7 v1(118.85,71.2) ; 109.32,86.98 106.04,86.98 102.2,83.15 100.45,83.15 v1(100.03,82.72) U2.15 ; U13.19 105.91,68.75 105.46,69.21 104.44,69.21 v1(104.3,69.35)
  Bottom w0.2: v1(139.9,58.65) 142.6,58.65 v1(142.65,58.7) ; v1(100.03,82.72) 99.75,82.45 99.75,72.62 103.02,69.35 v1(104.3,69.35) 104.44,69.21 105.46,69.21 105.66,69 114.18,69 116.05,70.87 118.52,70.87 v1(118.85,71.2)
A2: length 108.5
  Top w0.2: 109.32,86.18 105.8,86.18 102.17,82.55 v1(100.95,82.55) 100.47,82.08 U2.14 ; 149.82,61.31 143.46,61.31 132.3,50.15 125.45,50.15 123.21,47.91 U10.10 ; U13.18 105.98,69.25 105.62,69.61 105.27,69.61 v1(105.06,69.82) ; v1(118.18,71.69) 117.95,71.46 117.95,69.91 118.1,69.76 118.1,59.57 118.21,59.45 118.21,50.54 120.84,47.91
  Bottom w0.2: v1(100.95,82.55) 100.15,81.75 100.15,72.78 102.98,69.95 104.93,69.95 v1(105.06,69.82) 105.27,69.61 105.62,69.61 105.83,69.4 114.02,69.4 115.89,71.27 117.75,71.27 v1(118.18,71.69)
A3: length 117.8
  Top w0.2: v1(105.87,70.15) 106.27,69.75 U13.17 ; 120.87,46.64 117.81,49.69 117.81,59.29 117.7,59.4 117.7,69.59 117.55,69.74 117.55,70.12 117.2,70.46 117.2,71.7 v1(117.4,71.9) 117.65,72.15 117.65,72.6 v1(119.8,74.75) v1(119.8,77.6) ; v1(115.4,85.4) 117.55,83.25 v1(118.55,83.25) ; J15.17 149.82,63.85 ; U2.13 101.61,81.42 105.58,85.4 U7.30 v1(112.3,85.4) ; v1(143.47,71.6) 143.28,71.4 126.05,71.4 123.95,73.5 v1(123.85,73.5)
  Bottom w0.2: v1(112.3,85.4) 112.5,85.6 115.2,85.6 v1(115.4,85.4) ; v1(119.8,74.75) 121.05,73.5 v1(123.85,73.5) ; v1(105.87,70.15) 106.22,69.8 113.85,69.8 115.72,71.67 117.17,71.67 v1(117.4,71.9) ; 147.3,63.85 143.47,67.67 v1(143.47,71.6) ; v1(118.55,83.25) 119.8,82 v1(119.8,77.6)
A4: length 103.3
  Top w0.2: v1(144.93,71.2) 144.73,71 125.18,71 123.93,69.75 U13.16 ; 122.05,69.75 121.25,70.55 v1(121.25,70.95) ; v1(115.8,83.1) 115.25,83.65 114.45,83.65 114.1,83.3 112.47,83.3 111.57,84.2 111.2,84.2 110.75,84.2 110.35,84.6 U7.31 105.35,84.6 99.03,78.28 U8.22 ; 120.84,45.36 117.41,48.79 117.41,59.12 117.3,59.24 117.3,69.43 116.95,69.78 v1(116.95,69.87) 116.81,70.01 116.81,72.84 116.8,72.85 116.8,74.59 115.2,76.19 v1(115.2,78.3) ; J15.15 149.82,66.39
  Bottom w0.2: v1(115.8,83.1) 115.8,82.75 114.6,81.55 114.6,78.9 v1(115.2,78.3) ; 147.3,66.39 144.93,68.77 v1(144.93,71.2) ; v1(121.25,70.95) 120.1,69.8 117.02,69.8 v1(116.95,69.87)
A5: length 101.4
  Top w0.2: U8.21 95.53,77.62 95.78,77.88 99.19,77.88 105.12,83.8 U7.32 111.4,83.8 112.3,82.9 114.65,82.9 v1(114.8,83.05) ; 120.85,44.09 117.01,47.94 117.01,58.96 116.9,59.07 116.9,69.05 116.35,69.59 v1(116.2,69.59) 116.2,70.24 116.41,70.45 116.41,71.95 116.4,71.95 116.4,74.43 114.81,76.01 114.8,76.01 114.8,77.75 v1(114.2,78.35) ; 149.82,68.93 J15.13 ; v1(145.78,70.8) 145.58,70.6 125.35,70.6 124,69.25 U13.15 121.7,69.25 v1(121.25,69.7)
  Bottom w0.2: v1(116.2,69.59) 116.38,69.59 116.72,69.25 118.5,69.25 118.66,69.4 120.95,69.4 v1(121.25,69.7) ; v1(114.8,83.05) 114.2,82.45 v1(114.2,78.35) ; 147.3,68.93 145.78,70.45 v1(145.78,70.8)
A6: length 104
  Top w0.2: 120.82,42.83 116.61,47.04 116.61,58.79 116.49,58.92 116.49,68.61 v1(116.3,68.8) 115.95,68.8 115.6,69.15 115.6,70.34 116,70.74 116,74.26 115.01,75.25 113.84,75.25 111,78.09 v1(111,78.85) ; U8.20 101.11,76.97 101.44,77.3 102.07,77.3 105.42,80.65 109.1,80.65 109.79,81.34 U7.34 v1(111,82.55) ; U13.14 123.55,68.75 123.65,68.85 124.45,68.85 v1(124.6,69) 125.8,70.2 151.09,70.2 J15.12
  Bottom w0.2: v1(124.6,69) 124.45,68.85 123.65,68.85 123.5,69 118.82,69 118.62,68.8 v1(116.3,68.8) ; v1(111,82.55) v1(111,78.85)
